# KiCad board engine-control-unit_prototype.kicad_pcb
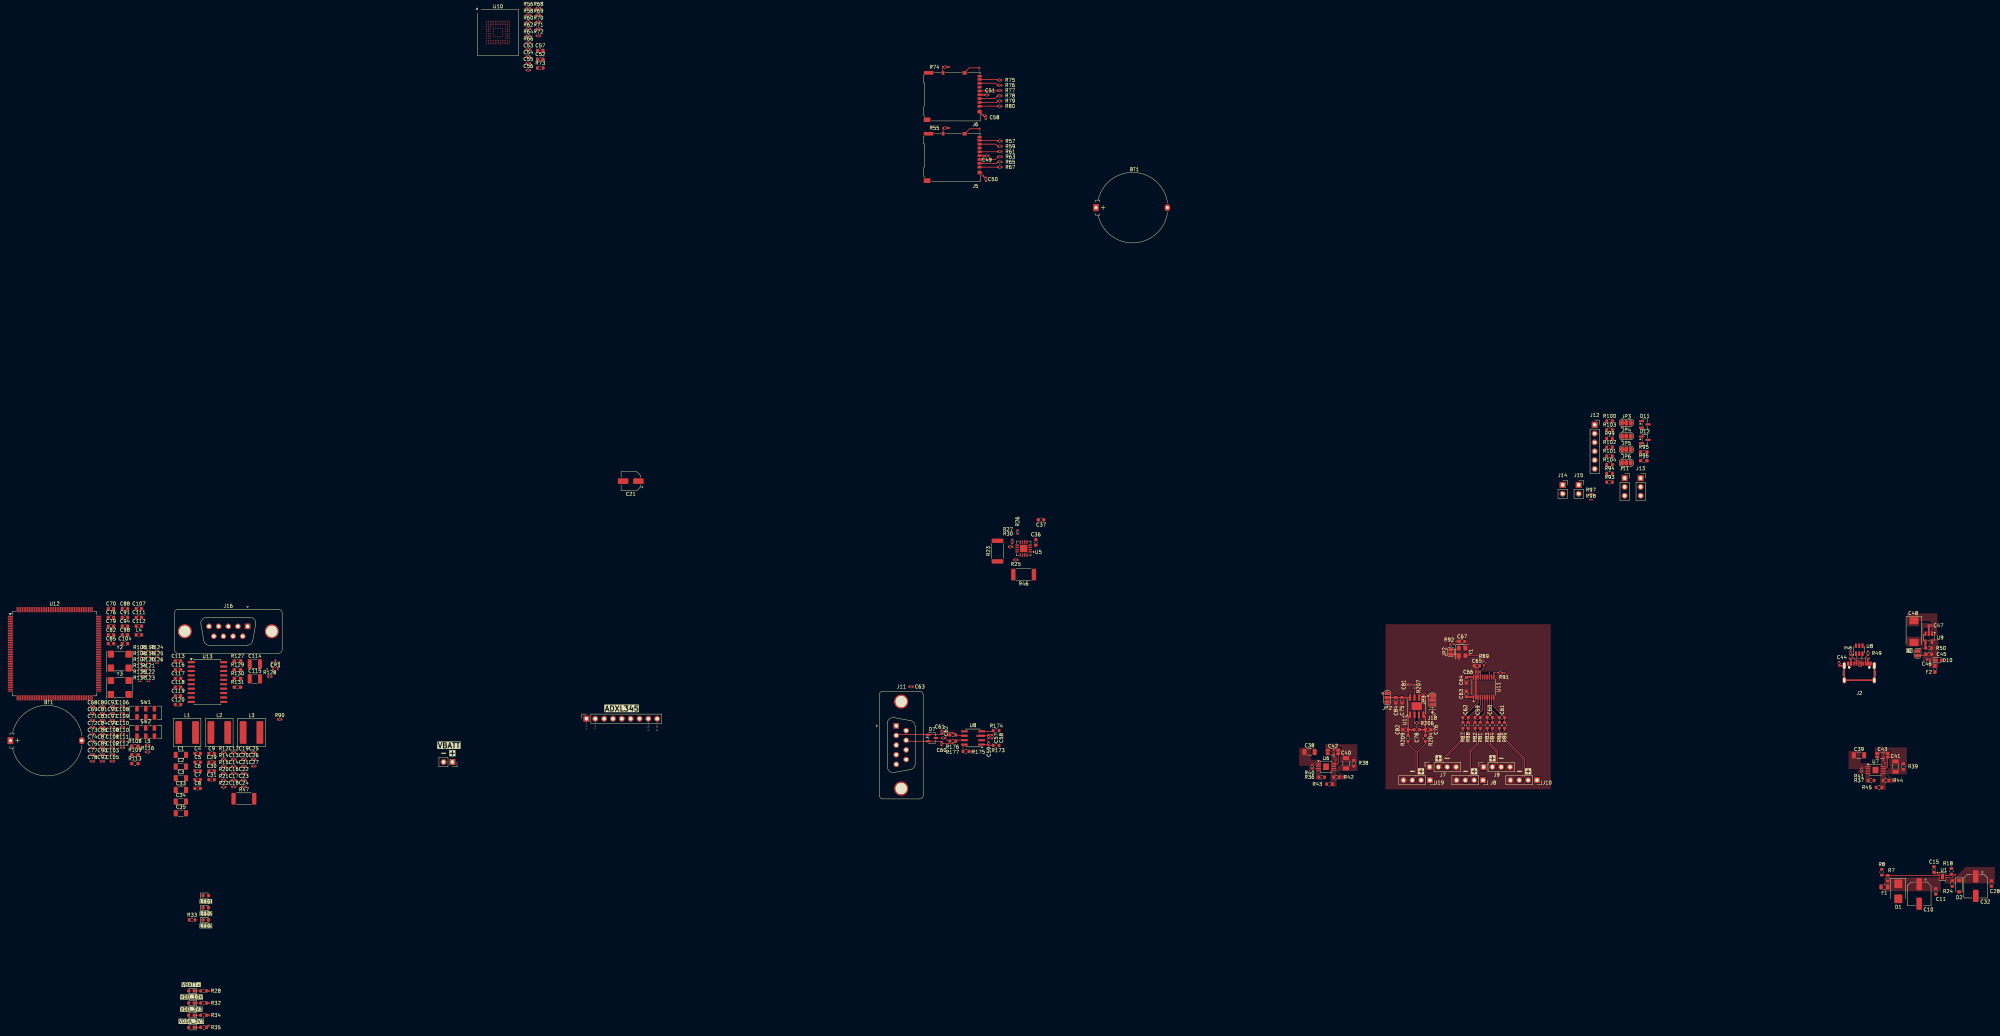
[diagram p0: board, top side]
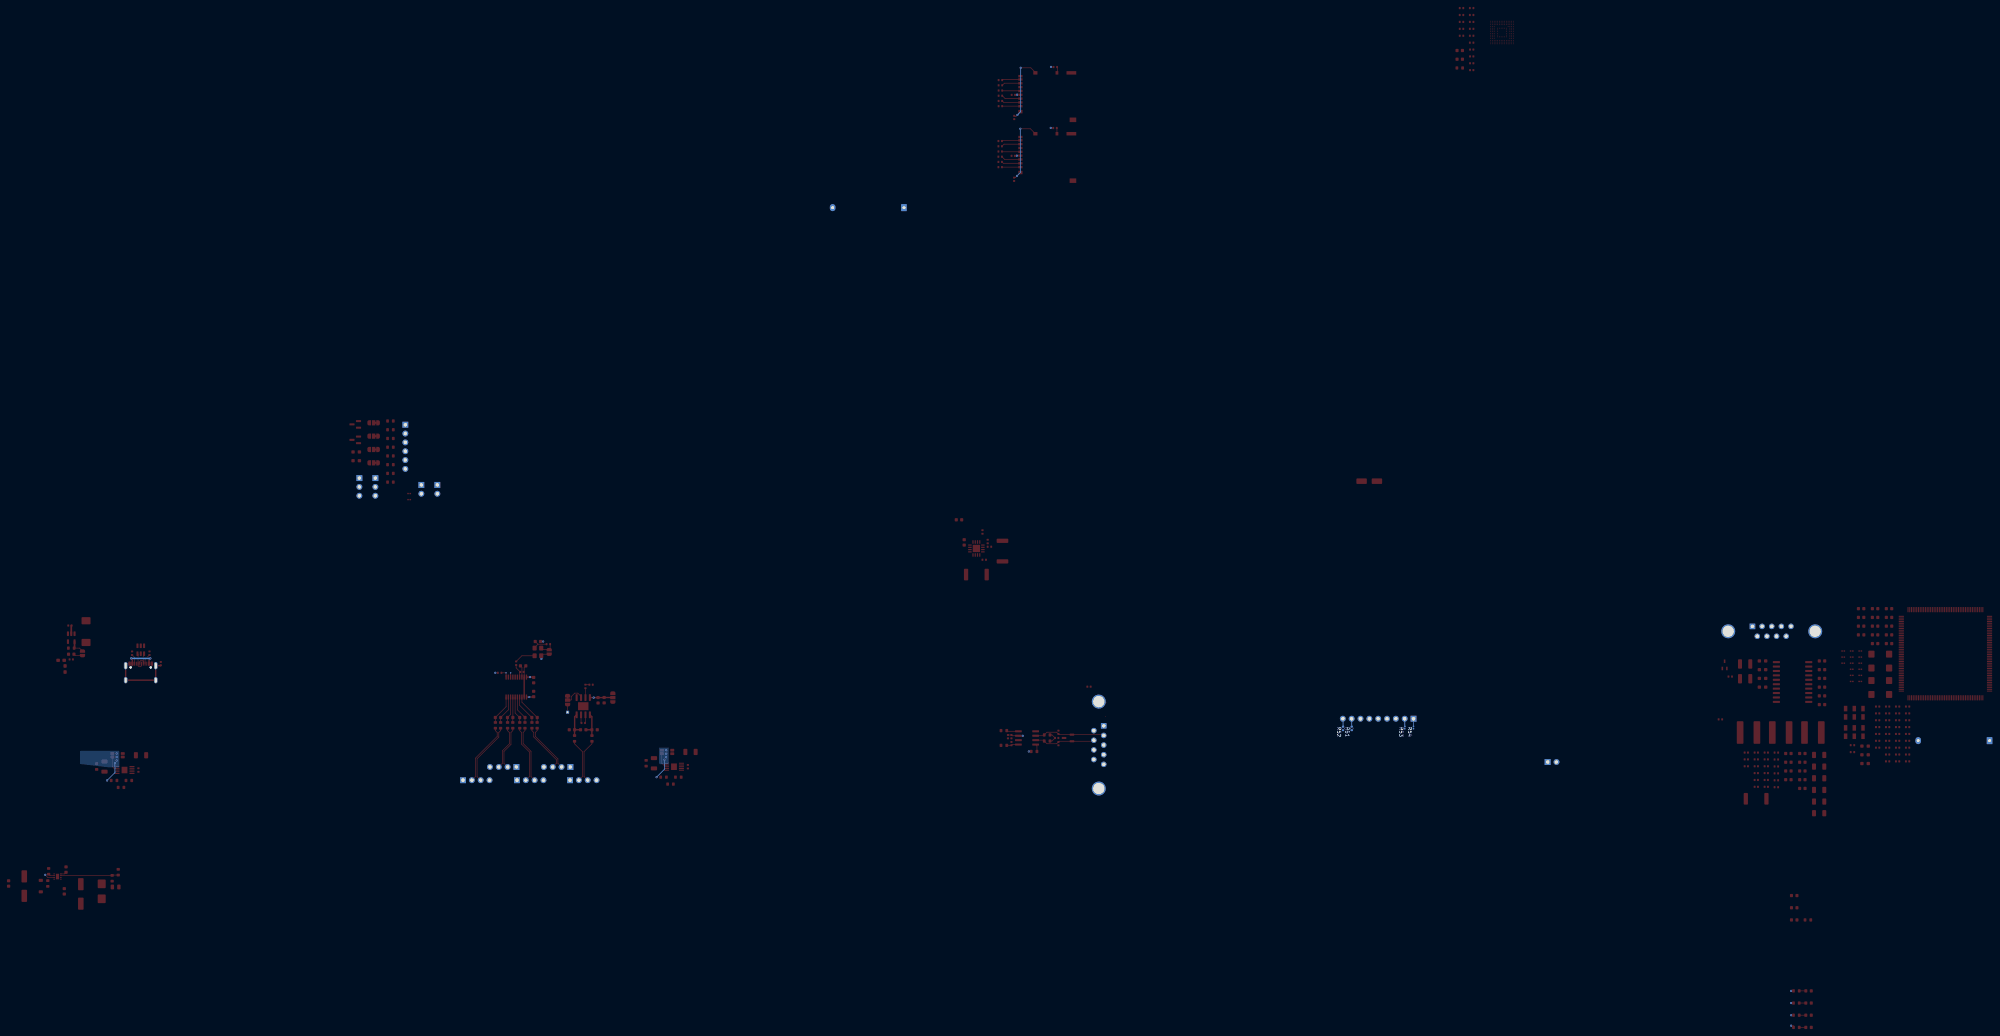
[diagram p1: board, bottom side, seen from below]

No outline. copper layers: Top, In1.Cu, In2.Cu, In3.Cu, In4.Cu, Bottom. Coordinates in mm from the lowest, leftmost part position.
Stack: Top 0.035mm / dielectric 0.1mm FR4 er 4.5 / In1.Cu 0.035mm / dielectric 0.535mm FR4 er 4.5 / In2.Cu 0.035mm / dielectric 0.1mm FR4 er 4.5 / In3.Cu 0.035mm / dielectric 0.535mm FR4 er 4.5 / In4.Cu 0.035mm / dielectric 0.1mm FR4 er 4.5 / Bottom 0.035mm

## Placement (name value [footprint] x y rotation side)
BT1  RTC_BAT  [Battery_Panasonic_CR2032-HFN_Horizontal_CircularHoles]  0 82.45 0 top
BT1#2  RTC_BAT  [Battery_Panasonic_CR2032-HFN_Horizontal_CircularHoles]  311.96 235.7 0 top
C1  C  [C_1206_3216Metric]  48.97 78.33 0 top
C2  C  [C_1206_3216Metric]  48.97 74.98 0 top
C3  C  [C_1206_3216Metric]  48.97 71.63 0 top
C4  C  [C_0603_1608Metric]  53.8 78.75 0 top
C5  C  [C_0603_1608Metric]  53.8 76.24 0 top
C6  C  [C_0603_1608Metric]  53.8 73.73 0 top
C7  C  [C_0603_1608Metric]  53.8 71.22 0 top
C8  C  [C_0603_1608Metric]  53.8 68.71 0 top
C9  C  [C_0603_1608Metric]  57.81 78.75 0 top
C10  CIN  [CP_Elec_6.3x5.4]  548.5 38.38 270 top
C11  0u01  [C_0603_1608Metric]  553.25 39.12 270 top
C12  C  [C_0402_1005Metric]  64.16 79.02 0 top
C13  C  [C_0402_1005Metric]  64.16 77.05 0 top
C14  C  [C_0402_1005Metric]  64.16 75.08 0 top
C15  Cdv/dt  [C_0603_1608Metric]  552.75 45.38 90 top
C16  C  [C_0402_1005Metric]  64.16 73.11 0 top
C17  C  [C_0402_1005Metric]  64.16 71.14 0 top
C18  C  [C_0402_1005Metric]  64.16 69.17 0 top
C19  C  [C_0402_1005Metric]  67.03 79.02 0 top
C20  C  [C_0402_1005Metric]  67.03 77.05 0 top
C21  4u7  [CP_Elec_5x4.5]  178.25 157.05 180 top
C21#2  C  [C_0402_1005Metric]  67.03 75.08 0 top
C22  100p  [C_0402_1005Metric]  67.03 73.11 0 top
C23  100p  [C_0402_1005Metric]  67.03 71.14 0 top
C24  100p  [C_0402_1005Metric]  67.03 69.17 0 top
C25  ?  [C_0402_1005Metric]  69.9 79.02 0 top
C26  ?  [C_0402_1005Metric]  69.9 77.05 0 top
C27  ?  [C_0402_1005Metric]  69.9 75.08 0 top
C28  C  [C_0603_1608Metric]  569.25 41.38 270 top
C29  C  [C_0603_1608Metric]  57.81 76.24 0 top
C30  C  [C_0603_1608Metric]  57.81 73.73 0 top
C31  C  [C_0603_1608Metric]  57.81 71.22 0 top
C32  COUT  [CP_Elec_6.3x5.4]  564.75 40.62 270 top
C33  C  [C_1206_3216Metric]  48.97 68.28 0 top
C34  C  [C_1206_3216Metric]  48.97 64.93 0 top
C35  C  [C_1206_3216Metric]  48.97 61.58 0 top
C36  0u1  [C_0603_1608Metric]  294.65 139.45 270 top
C37  10u  [C_0603_1608Metric]  296.15 145.95 180 top
C38  4u7  [C_1206_3216Metric]  373.3 79.2 0 top
C39  C  [C_1206_3216Metric]  531.2 78.25 0 top
C40  4u7  [C_1206_3216Metric]  383.8 75.95 90 top
C41  C  [C_1206_3216Metric]  541.7 75 90 top
C42  4u7  [C_1206_3216Metric_SplitPads]  380.05 79.2 180 top
C43  C  [C_1206_3216Metric_SplitPads]  537.95 78.25 180 top
C44  0u1  [C_0402_1005Metric]  525.52 104.59 270 top
C45  10u  [C_0603_1608Metric]  551.25 107.3 180 top
C46  0u1  [C_0402_1005Metric]  551.25 105.8 180 top
C47  0u1  [C_0402_1005Metric]  551.62 115.55 180 top
C48  150u  [CP_EIA-7343-31_Kemet-D]  547 113.8 270 top
C49  0u1  [C_0402_1005Metric]  280.56 250.59 180 top
C50  0u1  [C_0402_1005Metric]  280.31 243.84 270 top
C51  0u1  [C_0402_1005Metric]  280.52 268.12 180 top
C52  2.2u  [C_0603_1608Metric]  152.25 278.37 0 top
C53  0u1  [C_0402_1005Metric]  148.81 281.15 0 top
C54  0u1  [C_0402_1005Metric]  148.81 279.18 0 top
C55  0u1  [C_0402_1005Metric]  148.81 277.21 0 top
C56  0u1  [C_0402_1005Metric]  148.81 275.24 0 top
C57  100n  [C_0402_1005Metric]  281.07 83.59 90 top
C57#2  10u  [C_0603_1608Metric]  152.25 280.88 0 top
C58  100n  [C_0402_1005Metric]  282.07 83.59 270 top
C58#2  0u1  [C_0402_1005Metric]  280.27 261.62 270 top
C59  10n  [C_0603_1608Metric]  421.62 89.1 0 top
C59#2  ?  [C_0402_1005Metric]  281.07 81.59 270 top
C60  10n  [C_0603_1608Metric]  425.12 89.1 180 top
C60#2  DNF  [C_0402_1005Metric]  267.57 81.59 90 top
C61  DNF  [C_0402_1005Metric]  267.57 84.84 270 top
C61#2  10n  [C_0603_1608Metric]  428.62 89.1 0 top
C62  10n  [C_0603_1608Metric]  418.12 89.1 180 top
C62#2  0u1  [C_0402_1005Metric]  268.07 83.21 0 top
C63  0u1  [C_0402_1005Metric]  258.79 97.96 180 top
C63#2  1u  [C_0603_1608Metric]  418.37 95.85 270 top
C64  1u  [C_0603_1608Metric]  418.37 99.85 270 top
C65  220n  [C_0603_1608Metric]  421.4 103.95 0 top
C66  10p  [C_0402_1005Metric]  421.75 102.2 0 top
C67  0u1  [C_0603_1608Metric]  417.15 110.95 0 top
C68  100n  [C_0402_1005Metric]  23.55 92.25 0 top
C69  100n  [C_0402_1005Metric]  23.55 90.28 0 top
C70  100n  [C_0603_1608Metric]  28.89 120.39 0 top
C71  100n  [C_0402_1005Metric]  23.55 88.31 0 top
C72  100n  [C_0402_1005Metric]  23.55 86.34 0 top
C73  100n  [C_0402_1005Metric]  23.55 84.37 0 top
C74  100n  [C_0402_1005Metric]  23.55 82.4 0 top
C75  100n  [C_0402_1005Metric]  23.55 80.43 0 top
C75#2  0u1  [C_0603_1608Metric]  399.87 94.05 90 top
C76  4u7  [C_0603_1608Metric]  28.89 117.88 0 top
C76#2  ?  [C_0603_1608Metric]  407.37 85.58 0 top
C77  100n  [C_0402_1005Metric]  23.55 78.46 0 top
C78  100n  [C_0402_1005Metric]  23.55 76.49 0 top
C78#2  ?  [C_0603_1608Metric]  404.12 85.58 0 top
C79  1u  [C_0603_1608Metric]  28.89 115.37 0 top
C80  100n  [C_0402_1005Metric]  26.42 92.25 0 top
C81  100n  [C_0402_1005Metric]  26.42 90.28 0 top
C81#2  DNF  [C_0402_1005Metric]  401.87 98.53 0 top  (not fitted)
C82  ?  [C_0603_1608Metric]  400.87 85.58 0 top
C82#2  1u  [C_0603_1608Metric]  28.89 112.86 0 top
C83  100n  [C_0402_1005Metric]  26.42 88.31 0 top
C84  10u  [C_0603_1608Metric]  398.12 94.08 90 top
C84#2  100n  [C_0402_1005Metric]  26.42 86.34 0 top
C85  1u  [C_0603_1608Metric]  28.89 110.35 0 top
C86  100n  [C_0402_1005Metric]  26.42 84.37 0 top
C87  100n  [C_0402_1005Metric]  26.42 82.4 0 top
C88  1u  [C_0603_1608Metric]  32.9 120.39 0 top
C89  100n  [C_0402_1005Metric]  26.42 80.43 0 top
C90  100n  [C_0402_1005Metric]  26.42 78.46 0 top
C91  1u  [C_0603_1608Metric]  32.9 117.88 0 top
C92  100n  [C_0402_1005Metric]  26.42 76.49 0 top
C93  100n  [C_0402_1005Metric]  29.29 92.25 0 top
C94  1u  [C_0603_1608Metric]  32.9 115.37 0 top
C95  100n  [C_0402_1005Metric]  29.29 90.28 0 top
C97  100n  [C_0402_1005Metric]  29.29 88.31 0 top
C98  4,7u  [C_0603_1608Metric]  32.9 112.86 0 top
C99  100n  [C_0402_1005Metric]  29.29 86.34 0 top
C100  100n  [C_0402_1005Metric]  29.29 84.37 0 top
C101  100n  [C_0402_1005Metric]  29.29 82.4 0 top
C102  100n  [C_0402_1005Metric]  29.29 80.43 0 top
C103  100n  [C_0402_1005Metric]  29.29 78.46 0 top
C104  2.2u  [C_0603_1608Metric]  32.9 110.35 0 top
C105  100n  [C_0402_1005Metric]  29.29 76.49 0 top
C106  10u  [C_0402_1005Metric]  32.16 92.25 0 top
C107  2.2u  [C_0603_1608Metric]  36.91 120.39 0 top
C108  *  [C_0402_1005Metric]  32.16 90.28 0 top  (not fitted)
C109  10u  [C_0402_1005Metric]  32.16 88.31 0 top
C110  100n  [C_0402_1005Metric]  32.16 86.34 0 top
C111  2.2u  [C_0603_1608Metric]  36.91 117.88 0 top
C112  2.2u  [C_0603_1608Metric]  36.91 115.37 0 top
C113  100nF  [C_0603_1608Metric]  48.15 105.36 0 top
C114  1000p - 2000V  [C_1210_3225Metric]  70.24 104.49 0 top
C115  1000p - 2000V  [C_1210_3225Metric]  70.24 100.24 0 top
C116  10nF  [C_0603_1608Metric]  48.15 102.85 0 top
C117  1u  [C_0603_1608Metric]  48.15 100.34 0 top
C118  10u  [C_0603_1608Metric]  48.15 97.83 0 top
C119  1u  [C_0603_1608Metric]  48.15 95.32 0 top
C120  100nF  [C_0603_1608Metric]  48.15 92.81 0 top
CR1  ESDCAN02-2BWY  [SOT323-3L_STM]  76.14 104.24 0 top
D1  SMBJ16A-13-F  [D_SMB]  542.5 39.12 270 top
D2  MBR130T1G  [D_SOD-123]  560 40.62 270 top
D3  VBATT+  [LED_0603_1608Metric]  52.02 10.5 180 top
D4  LED1  [LED_0603_1608Metric]  56.14 37.9 0 top
D5  LED2  [LED_0603_1608Metric]  56.14 34.4 0 top
D6  VDD_10V  [LED_0603_1608Metric]  52.02 7 180 top
D7  LED3  [LED_0603_1608Metric]  56.14 30.9 0 top
D7#2  DNF  [SOT-23-3]  264.82 83.21 0 top
D8  VDD_3V3  [LED_0603_1608Metric]  52.02 3.5 180 top
D9  VDDA_3V3  [LED_0603_1608Metric]  52.02 0 180 top
D10  6.4V  [D_0603_1608Metric_Pad1.05x0.95mm_HandSolder]  554.15 105.55 0 top  (not fitted)
D11  BAV99  [SOT-23]  469.64 173.38 0 top  (not fitted)
D12  BAV99  [SOT-23]  469.64 168.93 0 top  (not fitted)
F1  Fuse  [Fuse_0805_2012Metric]  538.5 40.38 0 top
F2  Polyfuse  [Fuse_0603_1608Metric_Pad1.05x0.95mm_HandSolder]  553.02 103.05 90 top
J1  VBATT  [PinSocket_1x02_P2.54mm_Vertical]  127 76.3 270 top
J2  USB_C_Receptacle_USB2.0_man  [USB_C_Receptacle_GCT_USB4105-xx-A_16P_TopMnt_Horizontal]  531.3 100.9 0 top
J4  ADXL345  [PinSocket_1x09_P2.54mm_Vertical]  165.53 88.75 90 top
J5  Micro_SD_Card_Det_Hirose_DM3AT  [microSD_HC_Hirose_DM3AT-SF-PEJM5]  270.77 250.12 270 top
J6  Micro_SD_Card_Det_Hirose_DM3AT  [microSD_HC_Hirose_DM3AT-SF-PEJM5]  270.77 267.62 270 top
J7  PT2  [PinSocket_1x04_P2.54mm_Vertical]  407.82 74.88 90 top
J8  PT3  [PinSocket_1x04_P2.54mm_Vertical]  423.17 71.08 270 top
J9  PT4  [PinSocket_1x04_P2.54mm_Vertical]  423.32 74.88 90 top
J10  PT5  [PinSocket_1x04_P2.54mm_Vertical]  438.67 71.08 270 top
J11  VALVE_IPA  [PinSocket_1x03_P2.54mm_Vertical]  463.86 157.94 0 top
J11#2  CANFD  [DSUB-9_Socket_Vertical_P2.77x2.84mm_MountingHoles]  254.56 86.71 90 top
J12  VCTR_CONN  [PinSocket_1x06_P2.54mm_Vertical]  455.25 173.28 0 top
J13  VALVE_NOS  [PinSocket_1x03_P2.54mm_Vertical]  468.46 157.94 0 top
J14  HEATER_IPA  [PinSocket_1x02_P2.54mm_Vertical]  446.05 155.98 0 top
J15  HEATER_NOS  [PinSocket_1x02_P2.54mm_Vertical]  450.65 155.98 0 top
J16  DE9_Socket_MountingHoles  [DSUB-9_Socket_Vertical_P2.77x2.84mm_MountingHoles]  68.14 115.3 0 top
J18  VREF  [PinHeader_1x01_P1.00mm_Vertical]  408.62 90.6 180 top
J19  PT1  [PinSocket_1x04_P2.54mm_Vertical]  407.92 71.08 270 top
JP1  EN  [SolderJumper-2_P1.3mm_Open_RoundedPad1.0x1.5mm]  548.02 107.55 90 top
JP2  3V3 / 10V  [SolderJumper-3_P1.3mm_Open_RoundedPad1.0x1.5mm]  395.62 94.83 270 top
JP2#2  EN  [SolderJumper-2_P1.3mm_Open_RoundedPad1.0x1.5mm#2]  413.9 107.95 90 top
JP3  CONN / BOARD  [SolderJumper-3_P1.3mm_Bridged12_RoundedPad1.0x1.5mm]  464.36 173.83 0 top
JP3#2  PIN / GND  [SolderJumper-3_P1.3mm_Bridged12_RoundedPad1.0x1.5mm]  408.62 94.1 270 top
JP4  CONN / BOARD  [SolderJumper-3_P1.3mm_Bridged12_RoundedPad1.0x1.5mm]  464.36 170 0 top
JP5  CONN / BOARD  [SolderJumper-3_P1.3mm_Bridged12_RoundedPad1.0x1.5mm]  464.36 166.16 0 top
JP6  CONN / BOARD  [SolderJumper-3_P1.3mm_Bridged12_RoundedPad1.0x1.5mm]  464.36 162.32 0 top
L1  L  [L_Coilcraft_XAL7070-XXX]  50.77 84.78 0 top
L2  L  [L_Coilcraft_XAL7070-XXX]  60.02 84.78 0 top
L3  L  [L_Coilcraft_XAL7070-XXX]  69.27 84.78 0 top
L4  L_Ferrite  [L_0603_1608Metric]  36.91 112.86 0 top
L5  L_Ferrite  [R_0402_1005Metric]  39.4 81.14 0 top
R7  RVL1  [R_0603_1608Metric]  539.5 42.88 90 top
R8  RVL2  [R_0603_1608Metric]  537.75 44.62 90 top
R12  0  [R_0402_1005Metric]  61.27 79.01 0 top
R14  0  [R_0402_1005Metric]  61.27 77.02 0 top
R15  0  [R_0402_1005Metric]  61.27 75.03 0 top
R18  RILIM  [R_0603_1608Metric]  557.75 44.88 90 top
R20  27k4  [R_0402_1005Metric]  61.27 73.04 0 top
R21  27k4  [R_0402_1005Metric]  61.27 71.05 0 top
R22  27k4  [R_0402_1005Metric]  61.27 69.06 0 top
R23  10m  [R_2512_6332Metric]  283.65 136.95 90 top
R24  ROUT  [R_0603_1608Metric]  558 41.38 270 top
R25  10k  [R_0402_1005Metric]  288.9 134.45 0 top
R26  10k  [R_0402_1005Metric]  289.4 142.45 270 top
R27  10k  [R_0402_1005Metric]  287.9 139.7 270 top
R28  ?  [R_0603_1608Metric]  55.52 10.5 0 top
R30  10k  [R_0402_1005Metric]  287.4 138.2 0 top
R32  ?  [R_0603_1608Metric]  55.52 7 0 top
R33  ?  [R_0603_1608Metric]  52.2 30.9 0 top
R34  ?  [R_0603_1608Metric]  55.52 3.5 0 top
R35  ?  [R_0603_1608Metric]  55.52 0 0 top
R36  510  [R_0603_1608Metric]  376.8 71.95 0 top
R37  R_US  [R_0603_1608Metric]  534.7 71 0 top
R38  33k2  [R_0603_1608Metric]  386.05 75.95 90 top
R39  R_US  [R_0603_1608Metric]  543.95 75 90 top
R40  200k  [R_0402_1005Metric]  374.05 74.95 270 top
R41  200k  [R_0402_1005Metric]  531.95 74 270 top
R42  453k  [R_0603_1608Metric]  381.05 71.95 180 top
R43  49k9  [R_0603_1608Metric]  379.05 69.95 180 top
R44  R_US  [R_0603_1608Metric]  538.95 71 180 top
R45  R_US  [R_0603_1608Metric]  536.95 69 180 top
R46  10m  [R_2512_6332Metric]  291.15 130.2 180 top
R47  10m  [R_2512_6332Metric]  67.08 65.73 0 top
R48  5.1k  [R_0402_1005Metric]  528.77 107.59 270 top
R49  5.1k  [R_0402_1005Metric]  533.77 107.59 90 top
R50  10k  [R_0603_1608Metric]  551.25 109.05 180 top
R51  1k  [R_0402_1005Metric]  183.29 85.95 90 bottom
R52  1k  [R_0402_1005Metric]  185.79 85.95 90 bottom
R53  0  [R_0201_0603Metric]  168.04 86.2 90 bottom
R54  0  [R_0201_0603Metric]  165.54 86.2 90 bottom
R55  10k  [R_0402_1005Metric]  268.56 258.59 180 top
R56  10k  [R_0402_1005Metric]  148.83 293.08 0 top
R57  10k  [R_0402_1005Metric]  284.31 254.84 180 top
R58  10k  [R_0402_1005Metric]  148.83 291.09 0 top
R59  10k  [R_0402_1005Metric]  284.31 253.35 180 top
R60  10k  [R_0402_1005Metric]  148.83 289.1 0 top
R61  10k  [R_0402_1005Metric]  284.31 251.84 180 top
R62  10k  [R_0402_1005Metric]  148.83 287.11 0 top
R63  10k  [R_0402_1005Metric]  284.32 250.34 180 top
R64  10k  [R_0402_1005Metric]  148.83 285.12 0 top
R65  10k  [R_0402_1005Metric]  284.31 248.84 180 top
R66  10k  [R_0402_1005Metric]  148.83 283.13 0 top
R67  10k  [R_0402_1005Metric]  284.31 247.34 180 top
R68  10k  [R_0402_1005Metric]  151.74 293.08 0 top
R69  10k  [R_0402_1005Metric]  151.74 291.09 0 top
R70  10k  [R_0402_1005Metric]  151.74 289.1 0 top
R71  10k  [R_0402_1005Metric]  151.74 287.11 0 top
R72  10k  [R_0402_1005Metric]  151.74 285.12 0 top
R73  ?  [R_0603_1608Metric]  152.25 275.86 0 top
R74  10k  [R_0402_1005Metric]  268.47 276.12 180 top
R75  10k  [R_0402_1005Metric]  284.25 272.38 180 top
R76  10k  [R_0402_1005Metric]  284.25 270.88 180 top
R77  10k  [R_0402_1005Metric]  284.25 269.38 180 top
R78  10k  [R_0402_1005Metric]  284.25 267.88 180 top
R79  10k  [R_0402_1005Metric]  284.26 266.38 180 top
R80  10k  [R_0402_1005Metric]  284.25 264.88 180 top
R81  1k  [R_0603_1608Metric]  422.37 86.85 270 top
R82  1k  [R_0603_1608Metric]  420.87 86.85 270 top
R83  1k  [R_0603_1608Metric]  424.37 86.85 270 top
R84  1k  [R_0603_1608Metric]  425.87 86.85 270 top
R85  1k  [R_0603_1608Metric]  429.37 86.85 270 top
R86  1k  [R_0603_1608Metric]  427.87 86.85 270 top
R87  1k  [R_0603_1608Metric]  417.37 86.85 270 top
R88  1k  [R_0603_1608Metric]  418.87 86.85 270 top
R89  100k  [R_0402_1005Metric]  423.4 104.7 270 top
R90  100k  [R_0402_1005Metric]  77.35 88.56 0 top
R91  100k  [R_0402_1005Metric]  428.15 101.95 180 top
R92  100k  [R_0402_1005Metric]  414.15 110.2 180 top
R93  1k  [R_0603_1608Metric]  459.53 156.78 0 top
R94  1k  [R_0603_1608Metric]  459.53 159.29 0 top
R95  10k  [R_0603_1608Metric_Pad0.98x0.95mm_HandSolder]  469.36 165.45 0 top  (not fitted)
R96  10k  [R_0603_1608Metric_Pad0.98x0.95mm_HandSolder]  469.36 162.94 0 top  (not fitted)
R97  0  [R_0201_0603Metric]  454.15 153.49 0 top
R98  0  [R_0201_0603Metric]  454.15 151.74 0 top
R99  ?  [R_0603_1608Metric]  459.53 169.33 0 top  (not fitted)
R100  ?  [R_0603_1608Metric]  459.53 174.35 0 top  (not fitted)
R101  ?  [R_0603_1608Metric]  459.53 164.31 0 top  (not fitted)
R102  ?  [R_0603_1608Metric]  459.53 166.82 0 top  (not fitted)
R103  ?  [R_0603_1608Metric]  459.53 171.84 0 top  (not fitted)
R104  ?  [R_0603_1608Metric]  459.53 161.8 0 top  (not fitted)
R105  0  [R_0201_0603Metric]  37.16 108.22 0 top  (not fitted)
R106  0  [R_0201_0603Metric]  37.16 106.47 0 top
R107  0  [R_0201_0603Metric]  37.16 104.72 0 top
R108  10k  [R_0603_1608Metric_Pad0.98x0.95mm_HandSolder]  35.77 80.88 0 top
R109  10k  [R_0603_1608Metric_Pad0.98x0.95mm_HandSolder]  35.77 78.37 0 top
R110  10k  [C_0402_1005Metric]  32.16 84.37 0 top
R111  10k  [C_0402_1005Metric]  32.16 82.4 0 top
R112  0  [C_0402_1005Metric]  32.16 80.43 0 top
R113  10k  [R_0603_1608Metric_Pad0.98x0.95mm_HandSolder]  35.77 75.86 0 top
R114  0  [R_0201_0603Metric]  37.16 102.97 0 top
R115  0  [R_0201_0603Metric]  37.16 101.22 0 top
R116  22  [R_0402_1005Metric]  39.4 79.15 0 top
R117  0  [R_0201_0603Metric]  37.16 99.47 0 top
R118  0  [R_0201_0603Metric]  39.61 108.22 0 top
R119  0  [R_0201_0603Metric]  39.61 106.47 0 top
R120  0  [R_0201_0603Metric]  39.61 104.72 0 top
R121  0  [R_0201_0603Metric]  39.61 102.97 0 top
R122  0  [R_0201_0603Metric]  39.61 101.22 0 top
R123  0  [R_0201_0603Metric]  39.61 99.47 0 top
R124  0  [R_0201_0603Metric]  42.06 108.22 0 top
R125  0  [R_0201_0603Metric]  42.06 106.47 0 top
R126  0  [R_0201_0603Metric]  42.06 104.72 0 top
R127  10k  [R_0603_1608Metric_Pad0.98x0.95mm_HandSolder]  65.24 105.36 0 top
R128  22  [R_0402_1005Metric]  74.52 100.87 0 top
R129  10k  [R_0603_1608Metric_Pad0.98x0.95mm_HandSolder]  65.24 102.85 0 top
R130  0  [R_0603_1608Metric_Pad0.98x0.95mm_HandSolder]  65.24 100.34 0 top
R131  120  [R_0603_1608Metric_Pad0.98x0.95mm_HandSolder]  65.24 97.83 0 top
R173  0  [R_0603_1608Metric]  283.25 81.09 180 top
R174  0  [R_0603_1608Metric]  283.25 85.34 180 top
R175  0  [R_0603_1608Metric]  274.57 79.34 0 top
R176  60  [R_0603_1608Metric]  270.82 84.09 180 top
R177  60  [R_0603_1608Metric]  270.82 82.34 180 top
R204  0  [R_0603_1608Metric]  406.62 83.08 270 top
R206  ?  [R_0402_1005Metric]  404.12 87.53 0 top
R207  0  [R_0402_1005Metric]  403.5 98.03 270 top
R209  0  [R_0603_1608Metric]  401.62 83.08 270 top
SW1  RESET  [SW_DPDT_CK_JS202011JCQN]  38.87 90.46 0 top
SW2  BOOT  [SW_DPDT_CK_JS202011JCQN]  38.87 84.91 0 top
U1  TPS2595xx  [WSON-8-1EP_2x2mm_P0.5mm_EP0.9x1.6mm]  555.2 43.38 0 top
U5  INA3221  [Texas_RGV0016A_VQFN-16-1EP_4x4mm_P0.65mm_EP2.1x2.1mm]  291.15 137.7 180 top
U6  LT3042xMSE  [MSOP-10-1EP_3x3mm_P0.5mm_EP1.68x1.88mm]  378.05 74.95 0 top
U7  LT3042xMSE  [MSOP-10-1EP_3x3mm_P0.5mm_EP1.68x1.88mm]  535.95 74 0 top
U8  TCAN337G  [SOIC-8_3.9x4.9mm_P1.27mm]  276.6 83.22 180 top
U8#2  USBLC6-2SC6  [SOT-23-6]  531.27 108.59 90 top
U9  TPS2069CDBV  [SOT-23-5]  551.25 112.05 270 top
U10  ~  [LFBGA-153_11.5x13mm_Layout14x14_P0.5mm]  140.1 286.05 0 top
U11  ADS131M04xPW  [TSSOP-20_4.4x6.5mm_P0.65mm]  423.37 97.85 90 top
U11#2  INA826  [SOIC-8-1EP_3.9x4.9mm_P1.27mm_EP2.29x3mm]  404.12 92.35 90 top
U12  STM32H747II  [LQFP-176_24x24mm_P0.5mm]  12.68 107.44 0 top
U13  ISOW1044  [SOIC-20W_7.5x12.8mm_P1.27mm]  56.61 99.31 0 top
Y1  SIT8924BA-22-33E-8.192000  [Oscillator_SMD_SiT_PQFN-4Pin_3.2x2.5mm]  417.15 107.95 270 top
Y2  ASV-25.000MHz  [Oscillator_SMD_Abracon_ASV-4Pin_7.0x5.1mm]  31.41 105.32 0 top
Y3  ASV-32.768kHz  [Oscillator_SMD_Abracon_ASV-4Pin_7.0x5.1mm]  31.41 97.73 0 top

## Library data of the parts
BT1 BT1#2 = -: Description: Battery Retainer Coin, 10.0mm 1 Cell SMD (SMT) Tab; Cost: $1.22; Manufacturer Part Number: BHX1-1025-SM; Mfg #1: MPD (Memory Protection Devices); No Digikey: BHX1-1025-SM-ND; Projet: PR4_2022 Andre pour Sandrine Lacroix-Pierre; Projet Prealable: PR4_2017 sur Pads  Altimètre pour parachutistes; Remarque #1: Le positionnement est indiqué sur la couche Dwgs.User du "footprint"
C1-C9 C11-C20 C21#2 C22-C31 C33-C44 C49-C57 C57#2 C58 C58#2 C59 C59#2 C60 C60#2 C61 C61#2 C62 C62#2 C63 C63#2 C64-C75 C75#2 C76 C76#2 C77 C78 C78#2 C79-C81 C81#2 C82 C82#2 C83 C84 C84#2 C85-C95 C97-C120 = -: Description: Unpolarized capacitor; ki_fp_filters: C_*
C10 C21 C32 C48 = -: Description: Polarized capacitor, US symbol; ki_fp_filters: CP_*
C45-C47 = -: Description: Unpolarized capacitor; Part Number: 399-C0603C104K5RAC7411CT-ND; ki_fp_filters: C_*
CR1 = -: Datasheet: https://www.st.com/resource/en/datasheet/esdcan03-2bwy.pdf; ki_fp_filters: SOT323-3L_STM SOT323-3L_STM-M SOT323-3L_STM-L
D1 = -: Description: Zener diode; ki_fp_filters: TO-???* *_Diode_* *SingleDiode* D_*
D2 = -: Description: Schottky diode; ki_fp_filters: TO-???* *_Diode_* *SingleDiode* D_*
D3-D9 = -: Description: Light emitting diode; Sim.Pins: 1=K 2=A; ki_fp_filters: LED* LED_SMD:* LED_THT:*
D7#2 = -: Datasheet: https://www.st.com/resource/en/datasheet/esdal.pdf; Description: TVS Diode Array, 5.5V Standoff, 2 Channels, SOT23; ki_fp_filters: SOT?23*
D10 = -: Description: Diode Schottky 30V 200mA (DC) Surface Mount SOD-123; Part Number: 1727-7327-1-ND; Link: https://www.digikey.ca/en/products/detail/texas-instruments/INA826AIDGKR/2762216; ki_fp_filters: D*SOD?323F*
D11 D12 = -: Datasheet: https://diotec.com/request/datasheet/bav99.pdf; Description: BAV99 High-speed switching diodes, SOT-23; Part Number: 4878-BAV99CT-ND; Link: https://www.digikey.ca/en/products/detail/stmicroelectronics/USBLC6-2SC6/1040559; ki_fp_filters: SOT?23*
F1 = -: ki_fp_filters: *Fuse*
F2 = -: Datasheet: https://www.yageo.com/upload/media/product/productsearch/datasheet/cpc/pptc/SMD0603_1.pdf; Description: Resettable fuse, polymeric positive temperature coefficient, small symbol; Part Number: 13-SMD0603B050TFCT-ND; ki_fp_filters: *polyfuse* *PTC*
J1 J14 J15 = -: Description: Generic screw terminal, single row, 01x02, script generated (kicad-library-utils/schlib/autogen/connector/); ki_fp_filters: TerminalBlock*:*
J2 = -: Description: USB-C (USB TYPE-C) USB 2.0 Receptacle Connector 24 (16+8 Dummy) Position Surface Mount, Right Angle; Through Hole; Part Number: 2073-USB4105-GF-ACT-ND; ki_fp_filters: USB*C*Receptacle*
J4 = -: Description: Generic connector, single row, 01x09, script generated (kicad-library-utils/schlib/autogen/connector/); ki_fp_filters: Connector*:*_1x??_*
J5 J6 = -: Datasheet: https://www.hirose.com/product/en/download_file/key_name/DM3/category/Catalog/doc_file_id/49662/?file_category_id=4&item_id=195&is_series=1; Description: Micro SD Card Socket with card detection pins; ki_fp_filters: microSD*